# KiCad board MXKeyboard.kicad_pcb (continued)
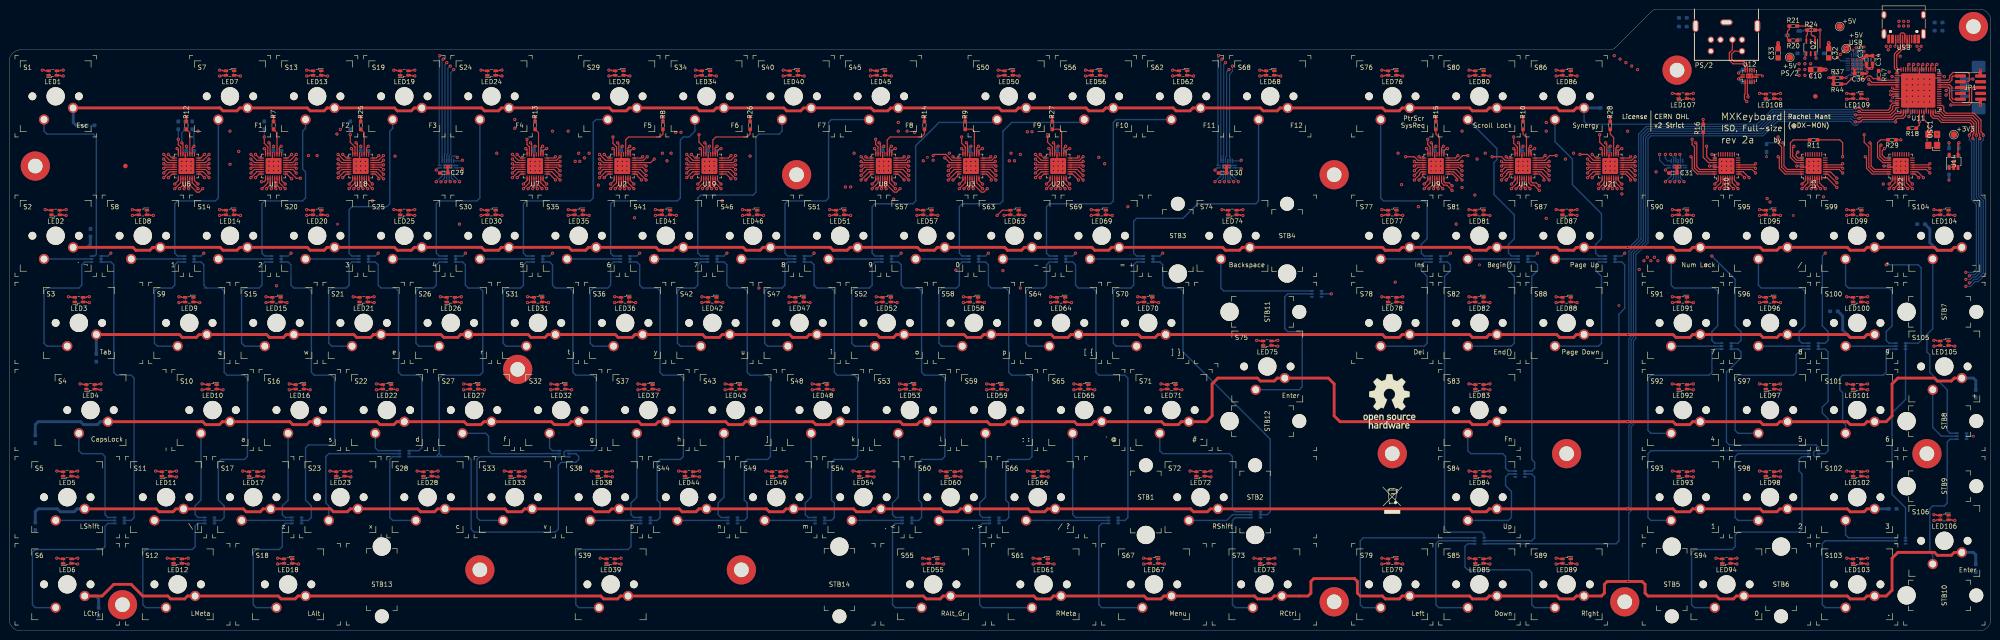
[diagram p0: board, top side]
## Routing (per net, layer and track width the routed paths; a pad name or vN(x,y) marks a point on that pad's centre or on a via; arc(x,y) is an arc through that point) (continued)
Net-(LED88-Pad3): length 35.7
  Top w0.254: v1(334.39,97.28) 333.76,97.92 332.87,97.92 332.58,98.2 U4.16 ; v1(338.07,71.76) 338.58,71.76 338.72,71.89 LED88.3
  Route10 w0.254: v1(334.39,97.28) 333.63,96.52 333.63,95.76 332.74,94.87 332.74,72.39 333.38,71.76 v1(338.07,71.76)
Net-(LED89-Pad2): length 112
  Top w0.254: v1(316.36,98.55) 316.36,98.93 315.44,99.85 U9.17 ; LED89.2 338.72,15.74 338.58,15.88 v1(338.07,15.88)
  Route4 w0.254: v1(338.07,15.88) 332.74,15.88 332.1,16.51 332.1,73.79 329.06,76.84 313.44,76.84 312.42,77.85 312.42,94.62 314.07,96.27 314.07,97.16 315.47,98.55 v1(316.36,98.55)
Net-(LED89-Pad3): length 95.7
  Top w0.254: v1(335.41,98.55) 335.41,98.93 334.49,99.85 U4.17 ; v1(338.07,14.61) 338.58,14.61 338.72,14.74 LED89.3
  Route10 w0.254: v1(338.07,14.61) 332.74,14.61 332.1,15.24 332.1,95.25 333.12,96.27 333.12,97.16 334.52,98.55 v1(335.41,98.55)
Net-(LED90-Pad2): length 59.9
  Top w0.254: v1(317.5,98.55) 315.7,100.35 U9.18 ; LED90.2 364.12,91.94 363.98,92.08 v1(363.47,92.08)
  Route4 w0.254: v1(363.47,92.08) 349.25,92.08 348.62,92.71 348.62,93.98 347.98,94.62 328.8,94.62 320.8,102.62 v1(320.8,103.12)
  Route10 w0.254: v1(320.8,103.12) 320.42,102.74 320.42,100.97 318.01,98.55 v1(317.5,98.55)
Net-(LED90-Pad3): length 64.7
  Top w0.254: U4.18 334.75,100.35 v1(336.55,98.55) ; LED90.3 364.12,90.94 363.98,90.81 v1(363.47,90.81)
  Route4 w0.254: v1(356.23,78.99) 356.23,80.01 355.6,80.65 355.6,81.92 356.87,83.19 356.87,90.17 357.5,90.81 v1(363.47,90.81)
  Route10 w0.254: v1(356.23,78.99) 355.98,78.74 352.42,78.74 351.79,79.38 351.79,90.93 340.11,102.62 v1(340.11,103.12)
  Route12 w0.254: 336.8,98.55 v1(336.55,98.55) 337.95,98.55 339.09,99.7 339.09,102.11 v1(340.11,103.12)
Net-(LED91-Pad2): length 67.8
  Top w0.254: v1(317.5,99.57) 316.22,100.85 U9.19 ; v1(363.47,73.03) 363.98,73.03 364.12,72.89 LED91.2
  Route4 w0.254: v1(363.47,73.03) 361.57,74.93 332.74,74.93 329.56,78.11 329.56,87.76 317.75,99.57 v1(317.5,99.57)
Net-(LED91-Pad3): length 52.4
  Top w0.254: v1(336.55,99.57) 335.27,100.85 U4.19 ; v1(363.47,71.76) 363.98,71.76 364.12,71.89 LED91.3
  Route10 w0.254: v1(336.55,99.57) 337.06,99.57 347.98,88.65 347.98,75.57 348.62,74.93 361.31,74.93 361.95,74.3 361.95,72.39 362.58,71.76 v1(363.47,71.76)
Net-(LED92-Pad2): length 105.6
  Top w0.254: v1(317.5,100.58) 316.73,101.35 U9.20 ; v1(368.05,52.71) 367.54,52.71 367.4,52.84 LED92.2
  Route4 w0.254: v1(368.05,52.71) 373.38,52.71 374.01,53.34 374.01,74.93 373.38,75.57 332.99,75.57 330.2,78.36 330.2,88.14 317.75,100.58 v1(317.5,100.58)
Net-(LED92-Pad3): length 87.1
  Top w0.254: v1(336.55,100.58) 335.78,101.35 U4.20 ; v1(368.05,53.98) 367.54,53.98 367.4,53.84 LED92.3
  Route10 w0.254: v1(336.55,100.58) 337.06,100.58 348.62,89.03 348.62,76.2 349.25,75.57 373.38,75.57 374.01,74.93 374.01,54.61 373.38,53.98 v1(368.05,53.98)
Net-(LED93-Pad2): length 126.6
  Top w0.254: v1(317.5,101.6) 317.25,101.85 U9.21 ; v1(368.05,33.66) 367.54,33.66 367.4,33.79 LED93.2
  Route4 w0.254: v1(368.05,33.66) 374.01,33.66 374.65,34.29 374.65,75.57 374.01,76.2 333.25,76.2 330.83,78.61 330.83,88.52 317.75,101.6 v1(317.5,101.6)
Net-(LED93-Pad3): length 107.8
  Top w0.254: v1(336.55,101.6) 336.3,101.85 U4.21 ; v1(368.05,34.93) 367.54,34.93 367.4,34.79 LED93.3
  Route10 w0.254: v1(336.55,101.6) 337.06,101.6 349.25,89.41 349.25,76.84 349.88,76.2 374.01,76.2 374.65,75.57 374.65,35.56 374.01,34.93 v1(368.05,34.93)
Net-(LED94-Pad2): length 142.8
  Top w0.254: v1(317.5,102.62) 317.23,102.35 U9.22 ; LED94.2 376.93,14.74 377.06,14.61 v1(377.57,14.61)
  Route4 w0.254: v1(317.5,102.62) 317.75,102.62 331.47,88.9 331.47,78.87 333.5,76.84 374.65,76.84 375.28,76.2 375.28,15.24 375.92,14.61 v1(377.57,14.61)
Net-(LED94-Pad3): length 123.8
  Top w0.254: v1(336.55,102.62) 336.28,102.35 U4.22 ; v1(377.57,15.88) 377.06,15.88 376.93,15.74 LED94.3
  Route10 w0.254: v1(377.57,15.88) 375.92,15.88 375.28,16.51 375.28,76.2 374.65,76.84 350.52,76.84 349.88,77.47 349.88,89.79 337.06,102.62 v1(336.55,102.62)
Net-(LED95-Pad2): length 99
  Top w0.254: v1(318.77,103.89) 317.63,103.89 316.59,102.85 U9.23 ; LED95.2 383.17,91.94 383.03,92.08 v1(382.52,92.08)
  Route4 w0.254: v1(370.84,80.01) 370.84,78.74 370.2,78.11 334.01,78.11 332.74,79.38 332.74,89.66 318.77,103.63 v1(318.77,103.89)
  Route12 w0.254: v1(370.84,80.01) 372.75,80.01 374.65,81.92 374.65,91.44 375.28,92.08 v1(382.52,92.08)
Net-(LED95-Pad3): length 80.7
  Top w0.254: v1(338.07,103.89) 336.68,103.89 335.64,102.85 U4.23 ; LED95.3 383.17,90.94 383.03,90.81 v1(382.52,90.81)
  Route10 w0.254: v1(382.52,90.81) 374.65,90.81 374.01,90.17 374.01,78.74 373.38,78.11 351.79,78.11 351.15,78.74 351.15,90.55 338.07,103.63 v1(338.07,103.89)
Net-(LED96-Pad2): length 90.4
  Top w0.254: v1(316.61,103.89) 316.07,103.35 U9.24 ; v1(382.52,73.03) 383.03,73.03 383.17,72.89 LED96.2
  Route4 w0.254: v1(382.52,73.03) 376.56,73.03 375.92,73.66 375.92,76.84 375.28,77.47 333.76,77.47 332.1,79.12 332.1,89.28 317.5,103.89 v1(316.61,103.89)
Net-(LED96-Pad3): length 73.8
  Top w0.254: v1(335.66,103.89) 335.12,103.35 U4.24 ; LED96.3 383.17,71.89 383.03,71.76 v1(382.52,71.76)
  Route10 w0.254: v1(335.66,103.89) 336.8,103.89 350.52,90.17 350.52,78.11 351.15,77.47 375.28,77.47 375.92,76.84 375.92,72.39 376.56,71.76 v1(382.52,71.76)
Net-(LED97-Pad2): length 68.6
  Top w0.254: v1(372.75,97.66) 373.53,98.45 U10.1 ; v1(387.1,52.71) 386.59,52.71 386.45,52.84 LED97.2
  Route4 w0.254: v1(387.1,52.71) 391.79,52.71 392.43,53.34 392.43,74.3 391.79,74.93 380.37,74.93 373.38,81.92 373.38,94.87 371.98,96.27 371.98,96.9 v1(372.75,97.66)
Net-(LED97-Pad3): length 52.7
  Top w0.254: v1(391.79,97.66) 392.58,98.45 U5.1 ; LED97.3 386.45,53.84 386.59,53.98 v1(387.1,53.98)
  Route10 w0.254: v1(387.1,53.98) 391.79,53.98 392.43,54.61 392.43,94.87 391.03,96.27 391.03,96.9 v1(391.79,97.66)
Net-(LED98-Pad2): length 88.2
  Top w0.254: v1(372.75,96.65) 374.03,97.94 U10.2 ; v1(387.1,33.66) 386.59,33.66 386.45,33.79 LED98.2
  Route4 w0.254: v1(372.75,96.65) 374.01,95.38 374.01,82.3 380.75,75.57 392.43,75.57 393.06,74.93 393.06,34.29 392.43,33.66 v1(387.1,33.66)
Net-(LED98-Pad3): length 72.2
  Top w0.254: v1(391.79,96.65) 393.08,97.94 U5.2 ; LED98.3 386.45,34.79 386.59,34.93 v1(387.1,34.93)
  Route10 w0.254: v1(391.79,96.65) 393.06,95.38 393.06,35.56 392.43,34.93 v1(387.1,34.93)
Net-(LED99-Pad2): length 34.1
  Top w0.254: v1(373.76,96.65) 374.53,97.42 U10.3 ; LED99.2 402.22,91.94 402.08,92.08 v1(401.57,92.08)
  Route4 w0.254: v1(401.57,92.08) 400.94,92.71 395.73,92.71 394.46,93.98 385.7,93.98 385.44,93.73 v1(384.81,93.73)
  Route6 w0.254: v1(373.76,96.65) 376.68,93.73 v1(384.81,93.73)
Net-(LED99-Pad3): length 17.1
  Top w0.254: v1(392.81,96.65) 393.58,97.42 U5.3 ; v1(401.57,90.81) 402.08,90.81 402.22,90.94 LED99.3
  Route6 w0.254: v1(392.81,96.65) 394.59,94.87 v1(396.49,94.87)
  Route10 w0.254: v1(396.49,94.87) 396.88,94.49 396.88,91.44 397.51,90.81 v1(401.57,90.81)
Net-(LED100-Pad2): length 55.5
  Top w0.254: v1(374.78,96.65) 375.03,96.91 U10.4 ; v1(406.15,71.76) 405.64,71.76 405.5,71.89 LED100.2
  Route4 w0.254: v1(374.78,96.65) 374.65,96.52 374.65,82.68 381.13,76.2 393.7,76.2 394.33,75.57 403.22,75.57 403.86,74.93 403.86,72.39 404.5,71.76 v1(406.15,71.76)
Net-(LED100-Pad3): length 39.5
  Top w0.254: v1(393.83,96.65) 394.08,96.91 U5.4 ; v1(406.15,73.03) 405.64,73.03 405.5,72.89 LED100.3
  Route10 w0.254: v1(393.83,96.65) 393.7,96.52 393.7,76.2 394.33,75.57 405.76,75.57 406.15,75.18 v1(406.15,73.03)
Net-(LED101-Pad2): length 82.9
  Top w0.254: v1(375.79,96.65) 375.53,96.91 U10.5 ; LED101.2 405.5,52.84 405.64,52.71 v1(406.15,52.71)
  Route4 w0.254: v1(406.15,52.71) 410.21,52.71 410.85,53.35 410.85,67.94 409.57,69.22 409.57,75.57 408.94,76.2 394.97,76.2 394.33,76.84 381.51,76.84 375.28,83.06 375.28,96.14 v1(375.79,96.65)
Net-(LED101-Pad3): length 66.2
  Top w0.254: v1(394.84,96.65) 394.58,96.91 U5.5 ; v1(406.15,53.98) 405.64,53.98 405.5,53.84 LED101.3
  Route10 w0.254: v1(394.84,96.65) 394.33,96.14 394.33,76.84 394.97,76.2 408.94,76.2 409.57,75.57 409.57,69.22 410.84,67.95 410.84,54.61 410.21,53.98 v1(406.15,53.98)
Net-(LED102-Pad2): length 102.3
  Top w0.254: v1(376.81,96.65) 376.03,97.42 U10.6 ; v1(406.15,33.66) 405.64,33.66 405.5,33.79 LED102.2
  Route4 w0.254: v1(406.15,33.66) 409.57,33.66 410.21,34.29 410.21,46.99 410.84,47.63 410.84,52.07 411.48,52.71 411.48,68.2 410.21,69.47 410.21,76.2 409.57,76.84 395.6,76.84 394.97,77.47 381.89,77.47 375.92,83.44 375.92,95.76 v1(376.81,96.65)
Net-(LED102-Pad3): length 85.5
  Top w0.254: v1(395.86,96.65) 395.08,97.42 U5.6 ; LED102.3 405.5,34.79 405.64,34.93 v1(406.15,34.93)
  Route10 w0.254: v1(406.15,34.93) 409.57,34.93 410.21,35.56 410.21,46.99 411.48,48.26 411.48,68.2 410.21,69.47 410.21,76.2 409.57,76.84 395.6,76.84 394.97,77.47 394.97,95.76 v1(395.86,96.65)
Net-(LED103-Pad2): length 122.5
  Top w0.254: v1(377.82,96.65) 376.53,97.94 U10.7 ; LED103.2 405.5,14.74 405.64,14.61 v1(406.15,14.61)
  Route4 w0.254: v1(377.82,96.65) 376.56,95.38 376.56,83.82 382.27,78.11 395.6,78.11 396.24,77.47 410.21,77.47 410.84,76.84 410.84,69.72 412.12,68.45 412.12,52.07 411.48,51.44 411.48,47.37 410.84,46.74 410.84,15.24 410.21,14.61 v1(406.15,14.61)
Net-(LED103-Pad3): length 105.6
  Top w0.254: v1(396.88,96.65) 395.58,97.94 U5.7 ; LED103.3 405.5,15.74 405.64,15.88 v1(406.15,15.88)
  Route10 w0.254: v1(396.88,96.65) 395.6,95.38 395.6,78.11 396.24,77.47 410.21,77.47 410.84,76.84 410.84,69.72 412.12,68.45 412.12,48.01 410.84,46.74 410.84,16.51 410.21,15.88 v1(406.15,15.88)
Net-(LED104-Pad2): length 49.5
  Top w0.254: v1(377.82,97.66) 377.03,98.45 U10.8 ; LED104.2 421.27,91.94 421.13,92.08 v1(420.62,92.08)
  Route4 w0.254: v1(377.82,97.66) 378.59,96.9 378.59,95.89 379.22,95.25 394.97,95.25 396.24,93.98 419.73,93.98 420.62,93.09 v1(420.62,92.08)
Net-(LED104-Pad3): length 32
  Top w0.254: v1(399.41,96.9) 397.27,99.05 U5.8 ; LED104.3 421.27,90.94 421.13,90.81 v1(420.62,90.81)
  Route10 w0.254: v1(399.41,96.9) 399.29,96.77 399.29,95.25 399.92,94.62 415.92,94.62 416.56,93.98 416.56,91.44 417.19,90.81 v1(420.62,90.81)
Net-(LED105-Pad2): length 93
  Top w0.254: v1(379.22,99.06) 378.43,99.85 U10.9 ; v1(420.62,63.5) 421.13,63.5 421.27,63.37 LED105.2
  Route4 w0.254: v1(379.22,99.06) 379.22,96.52 379.86,95.89 397.51,95.89 398.14,95.25 429.9,95.25 430.53,94.62 430.53,74.93 420.62,65.02 v1(420.62,63.5)
Net-(LED105-Pad3): length 59.9
  Top w0.254: v1(399.41,97.92) 397.48,99.85 U5.9 ; v1(420.62,62.23) 421.13,62.23 421.27,62.37 LED105.3
  Route10 w0.254: v1(420.62,62.23) 419.1,62.23 418.46,62.87 418.46,78.74 415.92,81.28 415.92,93.35 415.29,93.98 399.67,93.98 398.65,95 398.65,97.16 v1(399.41,97.92)
Net-(LED106-Pad2): length 124.6
  Top w0.254: v1(380.24,99.06) 378.95,100.35 U10.10 ; LED106.2 421.27,25.27 421.13,25.4 v1(420.62,25.4)
  Route4 w0.254: v1(420.62,25.4) 412.12,25.4 411.48,26.04 411.48,46.48 412.12,47.12 412.12,50.8 412.75,51.44 412.75,62.87 417.83,67.95 417.83,71.12 415.92,73.03 415.92,92.71 415.29,93.35 395.99,93.35 394.72,94.62 384.94,94.62 384.81,94.49 v1(384.17,94.49)
  Route6 w0.254: v1(384.17,94.49) 380.87,94.49 380.24,95.12 v1(380.24,99.06)
Net-(LED106-Pad3): length 108.5
  Top w0.254: v1(399.41,98.93) 398,100.35 U5.10 ; v1(420.62,24.13) 421.13,24.13 421.27,24.27 LED106.3
  Route10 w0.254: v1(420.62,24.13) 412.12,24.13 411.48,24.77 411.48,46.48 412.75,47.75 412.75,62.87 417.83,67.95 417.83,78.11 415.29,80.65 415.29,92.71 414.65,93.35 399.41,93.35 398.02,94.74 398.02,97.54 v1(399.41,98.93)
Net-(LED107-Pad2): length 51.4
  Top w0.254: v1(381.63,100.08) 380.86,100.85 U10.11 ; v1(368.05,116.21) 367.54,116.21 367.4,116.34 LED107.2
  Route4 w0.254: v1(381.63,100.08) 381.25,100.08 379.09,102.24 379.09,108.71 380.87,110.49 388.62,110.49 389.25,111.13 389.25,113.67 388.62,114.3 369.95,114.3 v1(368.05,116.21)
Net-(LED107-Pad3): length 52
  Top w0.254: v1(400.69,100.08) 399.91,100.85 U5.11 ; v1(368.05,117.48) 367.54,117.48 367.4,117.34 LED107.3
  Route10 w0.254: v1(400.69,100.08) 399.67,100.08 397.51,102.24 397.51,108.59 396.88,109.22 390.65,109.22 389.25,110.62 389.25,113.67 388.62,114.3 370.2,114.3 369.57,114.94 369.57,116.84 368.94,117.48 v1(368.05,117.48)
Net-(LED108-Pad2): length 32.7
  Top w0.254: v1(381.63,101.09) 381.38,101.35 U10.12 ; v1(387.1,116.21) 386.59,116.21 386.45,116.34 LED108.2
  Route4 w0.254: v1(387.1,116.21) 389.25,116.21 389.89,115.57 389.89,110.87 388.87,109.86 381.13,109.86 379.73,108.46 379.73,102.49 381.13,101.09 v1(381.63,101.09)
Net-(LED108-Pad3): length 32.9
  Top w0.254: v1(400.69,101.09) 400.43,101.35 U5.12 ; v1(387.1,117.48) 386.59,117.48 386.45,117.34 LED108.3
  Route10 w0.254: v1(387.1,117.48) 389.25,117.48 389.89,116.84 389.89,110.87 390.91,109.86 397.13,109.86 398.14,108.84 398.14,102.49 399.54,101.09 v1(400.69,101.09)
Net-(LED109-Pad2): length 39.2
  Top w0.254: v1(381.63,102.11) 381.38,101.85 U10.13 ; v1(401.57,117.48) 402.08,117.48 402.22,117.34 LED109.2
  Route4 w0.254: v1(381.63,102.11) 381,102.11 380.37,102.74 380.37,108.2 381.38,109.22 389.13,109.22 390.52,110.62 390.52,113.67 391.16,114.3 398.4,114.3 v1(401.57,117.48)
Net-(LED109-Pad3): length 23.4
  Top w0.254: v1(400.69,102.11) 400.43,101.85 U5.13 ; LED109.3 402.22,116.34 402.08,116.21 v1(401.57,116.21)
  Route10 w0.254: v1(401.57,116.21) 399.41,116.21 398.78,115.57 398.78,102.74 399.41,102.11 v1(400.69,102.11)
Net-(Q1-Pad1): length 2.1
  Bottom w0.254: R23.2 392.24,131.32 392.05,131.13 390.99,131.13
Net-(Q1-Pad3): length 3.7
  Top w0.254: R20.2 389,129.03 388.62,129.41 v1(388.62,130.18) 388.62,131.06 389.04,131.48 R21.2
  Bottom w0.254: 388.79,130.18 v1(388.62,130.18)
Net-(Q2-Pad1): length 6.8
  Top w0.254: R21.1 393.57,132.21 393.83,131.95 393.83,130.3 394.08,130.05 394.4,130.05 394.65,129.8 Q2.1
Net-(Q2-Pad3): length 2.6
  Top w0.254: R24.1 392.98,130.28 392.75,130.05 Q2.3
Net-(R7-Pad1): length 5.8
  Top w0.254: R7.1 58.54,108.89 U1.27
Net-(R8-Pad1): length 12.9
  Top w0.254: R8.1 142.88,108.59 142.24,107.95 135.38,107.95 134.74,107.3 U2.27
Net-(R9-Pad1): length 7.2
  Top w0.254: U3.27 210.94,109.11 210.4,109.64 R9.1
Net-(R10-Pad1): length 5.8
  Top w0.254: R10.1 330.83,108.59 331.58,107.84 U4.27
Net-(R11-Pad1): length 10.7
  Top w0.254: R11.1 389.89,107.32 389.25,106.68 389.25,103.51 390.41,102.35 U5.27
Net-(R12-Pad1): length 5.8
  Top w0.254: U6.27 39.48,108.89 R12.1
Net-(R13-Pad1): length 5.8
  Top w0.254: R13.1 115.68,108.89 U7.27
Net-(R14-Pad1): length 12.9
  Top w0.254: R14.1 200.02,108.59 199.39,107.95 192.53,107.95 191.88,107.3 U8.27
Net-(R15-Pad1): length 5.8
  Top w0.254: U9.27 312.53,107.84 311.78,108.59 R15.1
Net-(R16-Pad1): length 8.5
  Top w0.254: R16.1 370.2,103.51 371.36,102.35 U10.27
Net-(R25-Pad1): length 5.8
  Top w0.254: R25.1 77.58,108.89 U18.27
Net-(R26-Pad1): length 12.9
  Top w0.254: R26.1 161.93,108.59 161.29,107.95 154.43,107.95 153.79,107.3 U19.27
Net-(R27-Pad1): length 7.2
  Top w0.254: R27.1 229.45,109.64 229.98,109.11 U20.27
Net-(R28-Pad1): length 5.8
  Top w0.254: U21.27 350.63,107.84 349.88,108.59 R28.1
Net-(R29-Pad1): length 8.8
  Top w0.254: U22.27 409.46,102.35 408.31,103.51 408.31,106.68 408.94,107.32 R29.1
Net-(R37-Pad1): length 3.8
  Top w0.254: v2(401.45,120.9) R37.1
  Bottom w0.254: R37.1 v2(401.45,120.9) 402.02,121.48 402.53,121.48 402.61,121.56 U13.6
Net-(R44-Pad1): length 6.7
  Top w0.254: R44.1 401.45,119.51 v2(402.59,120.65)
  Bottom w0.254: U13.5 403.11,121.17 v2(402.59,120.65) 401.45,119.51 R44.1
Net-(S1-Pad2): length 41.4
  Bottom w0.305: D1.6 18.68,81.93 19.05,82.3 19.05,107.95 18.41,108.59 8.25,108.59 7.62,109.22 S1.2
Net-(S4-Pad2): length 25.1
  Bottom w0.305: S4.2 15.24,39.37 15.88,38.74 20.32,38.74 20.95,38.1 20.95,25.4 21.58,24.78 D2.6
Net-(S5-Pad2): length 12.9
  Bottom w0.305: S5.2 D2.5
Net-(S10-Pad2): length 20.7
  Bottom w0.3: 41.26,24.78 40.64,25.4
  Bottom w0.305: 41.26,24.78 D4.6 ; 40.64,25.4 40.64,27.31 41.91,28.58 S10.2
Net-(S13-Pad2): length 40.9
  Bottom w0.305: D5.6 55.86,81.93 55.24,82.55 55.24,93.35 55.88,93.98 64.14,93.98 64.77,94.62 64.77,100.33 64.14,100.97 64.14,109.22 64.77,109.86 S13.2
Net-(S18-Pad2): length 30.5
  Bottom w0.305: S18.2 53.98,5.08 53.34,5.72 53.34,17.15 53.98,17.78 59.05,17.78 59.69,18.42 59.69,22.86 60.31,23.48 D6.4
Net-(S19-Pad2): length 40
  Bottom w0.305: D7.6 74.92,81.93 74.3,82.55 74.3,92.08 74.93,92.71 82.55,92.71 83.18,93.35 83.18,109.22 83.82,109.86 S19.2
Net-(S21-Pad2): length 28.6
  Bottom w0.305: S21.2 70.48,62.23 69.85,62.87 69.85,74.3 70.48,74.93 73.66,74.93 74.3,75.57 74.3,80.01 74.92,80.63 D7.4
Net-(S23-Pad2): length 30.6
  Bottom w0.305: D8.5 69.85,38.74 69.21,38.1 69.21,27.94 69.85,27.31 S23.2
Net-(S24-Pad2): length 40.4
  Bottom w0.305: S24.2 102.87,94.62 102.23,93.98 93.98,93.98 93.34,93.35 93.34,82.55 93.96,81.93 D9.6
Net-(S29-Pad2): length 48.9
  Bottom w0.305: D10.6 113.02,81.93 112.39,82.55 112.39,93.35 113.03,93.98 127,93.98 127.64,94.62 127.64,111.13 128.27,111.76 S29.2
Net-(S30-Pad2): length 11.7
  Bottom w0.305: S30.2 D10.5
Net-(S34-Pad2): length 48.1
  Bottom w0.305: S34.2 149.86,109.22 148.59,107.95 147.32,107.95 146.69,107.32 146.69,94.62 146.05,93.98 132.08,93.98 131.44,93.35 131.44,82.55 132.06,81.93 D12.6
Net-(S37-Pad2): length 20.7
  Bottom w0.305: D13.6 136.51,24.78 135.89,25.4 135.89,27.94 137.16,29.21 S37.2
Net-(S38-Pad2): length 11
  Bottom w0.305: S38.2 D13.5
Net-(S39-Pad2): length 36.2
  Bottom w0.305: D13.4 136.51,23.48 135.89,22.86 135.89,18.42 135.25,17.78 124.46,17.78 123.83,17.15 123.83,5.72 124.46,5.08 S39.2
Net-(S44-Pad2): length 10.9
  Bottom w0.305: S44.2 156.92,24.13
Net-(S47-Pad2): length 28.6
  Bottom w0.305: S47.2 165.74,62.23 165.1,62.87 165.1,74.3 165.74,74.93 168.91,74.93 169.55,75.57 169.55,80.01 170.17,80.63 D16.4
Net-(S49-Pad2): length 11
  Bottom w0.305: D17.5 S49.2
Net-(S52-Pad2): length 28.6
  Bottom w0.305: S52.2 184.78,62.23 184.15,62.87 184.15,74.3 184.78,74.93 187.96,74.93 188.59,75.57 188.59,80.01 189.21,80.63 D18.4
Net-(S54-Pad2): length 11
  Bottom w0.305: S54.2 D19.5
Net-(S55-Pad2): length 26.1
  Bottom w0.305: D19.4 193.66,23.48 193.04,22.86 193.04,5.72 193.67,5.08 S55.2
Net-(S57-Pad2): length 11.6
  Bottom w0.305: D20.5 S57.2
Net-(S69-Pad2): length 11.7
  Bottom w0.305: D24.5 S69.2
Net-(S71-Pad2): length 35.9
  Bottom w0.305: S71.2 251.46,39.37 252.09,38.74 266.7,38.74 267.33,38.1 267.33,26.67 267.95,26.05 D25.6
Net-(S72-Pad2): length 14.1
  Bottom w0.305: D25.5 267.33,25.4 266.06,24.13 S72.2
Net-(S73-Pad2): length 27.4
  Bottom w0.305: D25.4 267.95,24.75 267.33,24.13 267.33,5.72 267.97,5.08 S73.2
Net-(S74-Pad2): length 26.5
  Bottom w0.305: D26.6 265.41,74.31 264.79,74.93 S74.2
Net-(S78-Pad2): length 30.5
  Bottom w0.305: S78.2 309.25,62.23 309.88,62.87 309.88,77.47 308.61,78.74 308.61,80.01 309.23,80.63 D27.4
Net-(S82-Pad2): length 30.5
  Bottom w0.305: D28.4 328.28,80.63 327.66,80.01 327.66,78.74 328.93,77.47 328.93,62.87 328.29,62.23 S82.2
Net-(S86-Pad2): length 36.3
  Bottom w0.305: S86.2 337.82,106.93 341.63,103.12 341.63,97.54 347.98,91.19 347.98,85.73 346.71,84.46 346.71,82.55 347.33,81.93 D29.6
Net-(S91-Pad2): length 11
  Bottom w0.305: D32.5 S91.2
Net-(S93-Pad2): length 54.7
  Bottom w0.305: 358.79,39.39 358.14,38.74 358.14,24.77 358.77,24.13 S93.2 ; 358.77,39.39 D33.6
Net-(S94-Pad2): length 62.4
  Bottom w0.305: S94.2 368.3,5.08 367.66,5.72 367.66,17.15 368.3,17.78 376.56,17.78 377.19,18.42 377.19,20.96 377.82,21.59 391.16,21.59 391.79,22.23 391.79,34.29 391.16,34.93 391.16,37.47 391.78,38.09 D33.4
Net-(S97-Pad2): length 37.7
  Bottom w0.305: D34.4 391.78,61.58 390.52,60.33 390.52,56.52 389.89,55.88 377.82,55.88 377.19,55.25 377.19,43.82 377.82,43.18 S97.2
Net-(U1-Pad32): length 88.1
  Top w0.254: v1(136.52,105.41) 136.27,105.41 135.74,104.87 U2.25 ; v1(55.75,105.41) 56.04,105.13 U1.32
  Route4 w0.254: v1(136.52,105.41) 136.27,105.16 133.35,105.16 132.33,106.17 126.24,106.17 v1(124.46,104.39)
  Route12 w0.254: v1(124.46,104.39) 124.21,104.65 119.25,104.65 118.24,103.63 112.78,103.63 111.25,105.16 79.63,105.16 78.61,104.14 74.93,104.14 73.41,105.66 60.33,105.66 59.31,104.65 56.52,104.65 v1(55.75,105.41)
Net-(U2-Pad32): length 88.1
  Top w0.254: v1(212.72,105.41) 212.47,105.41 211.94,104.87 U3.25 ; v1(131.95,105.41) 132.24,105.13 U2.32
  Route4 w0.254: v1(205.49,104.39) 207.26,106.17 208.53,106.17 209.55,105.16 212.47,105.16 v1(212.72,105.41)
  Route12 w0.254: v1(205.49,104.39) 205.23,104.65 195.45,104.65 194.44,103.63 188.98,103.63 187.45,105.16 157.1,105.16 156.08,104.14 151.13,104.14 149.61,105.66 137.8,105.66 136.78,104.65 132.71,104.65 v1(131.95,105.41)
Net-(U3-Pad32): length 132.5
  Top w0.254: v1(333.38,105.41) 333.12,105.41 332.58,104.87 U4.25 ; v1(208.15,105.41) 208.44,105.13 U3.32
  Route4 w0.254: v1(333.38,105.41) 333.12,105.16 330.2,105.16 329.18,106.17 324.36,106.17 v1(322.58,104.39)
  Route12 w0.254: v1(322.58,104.39) 322.33,104.65 316.1,104.65 315.09,103.63 309.63,103.63 308.1,105.16 233.3,105.16 232.28,104.14 227.33,104.14 225.81,105.66 214,105.66 212.98,104.65 208.91,104.65 v1(208.15,105.41)
Net-(U4-Pad32): length 68.2
  Top w0.254: v1(390.91,104.65) 390.52,104.27 390.52,103.76 390.93,103.35 U5.25 ; v1(328.8,105.41) 329.08,105.13 U4.32
  Route12 w0.254: v1(390.91,104.65) 389.38,104.65 389.13,104.9 371.86,104.9 371.6,104.65 370.33,104.65 370.08,104.9 367.66,104.9 367.41,105.16 353.95,105.16 352.93,104.14 347.98,104.14 346.46,105.66 334.64,105.66 333.63,104.65 329.56,104.65 v1(328.8,105.41)
Net-(U6-Pad32): length 87.7
  Top w0.254: v1(36.7,105.41) 36.98,105.13 U6.32 ; v1(117.48,105.41) 117.22,105.41 116.68,104.87 U7.25
  Route4 w0.254: v1(117.48,105.41) 117.22,105.16 114.3,105.16 113.28,106.17 108.33,106.17 v1(106.55,104.39)
  Route12 w0.254: v1(106.55,104.39) 106.3,104.65 79.88,104.65 78.87,103.63 74.68,103.63 73.15,105.16 60.58,105.16 59.56,104.14 55.88,104.14 54.36,105.66 41.27,105.66 40.77,105.16 36.96,105.16 v1(36.7,105.41)
Net-(U7-Pad32): length 88.1
  Top w0.254: v1(193.67,105.41) 193.42,105.41 192.88,104.87 U8.25 ; v1(112.9,105.41) 113.18,105.13 U7.32
  Route4 w0.254: v1(193.67,105.41) 193.42,105.16 190.5,105.16 189.48,106.17 186.44,106.17 v1(184.66,104.39)
  Route12 w0.254: v1(184.66,104.39) 184.4,104.65 157.35,104.65 156.34,103.63 150.88,103.63 149.35,105.16 138.05,105.16 137.03,104.14 132.08,104.14 130.56,105.66 118.74,105.66 117.73,104.65 113.67,104.65 v1(112.9,105.41)
Net-(U8-Pad32): length 132.5
  Top w0.254: v1(314.32,105.41) 314.07,105.41 313.53,104.87 U9.25 ; v1(189.1,105.41) 189.38,105.13 U8.32
  Route4 w0.254: v1(314.32,105.41) 314.07,105.16 311.15,105.16 310.13,106.17 305.31,106.17 v1(303.53,104.39)
  Route12 w0.254: v1(303.53,104.39) 303.28,104.65 233.55,104.65 232.54,103.63 227.08,103.63 225.55,105.16 214.25,105.16 213.23,104.14 208.28,104.14 206.76,105.66 194.94,105.66 193.93,104.65 189.87,104.65 v1(189.1,105.41)
Net-(U10-Pad25): length 69
  Top w0.254: v1(372.11,104.14) 372.36,104.14 372.73,103.77 U10.25 ; v1(309.75,105.41) 310.03,105.13 U9.32
  Route12 w0.254: v1(372.11,104.14) 370.08,104.14 369.82,104.39 366.78,104.39 365.51,103.12 360.3,103.12 358.77,104.65 354.2,104.65 353.19,103.63 347.73,103.63 346.2,105.16 334.9,105.16 333.88,104.14 328.93,104.14 327.41,105.66 315.59,105.66 314.58,104.65 310.51,104.65 v1(309.75,105.41)
Net-(U11-Pad37): length 39.7
  Top w0.254: U12.3 379.87,117.34 379.99,117.21 v1(379.99,116.71) ; U11.37 407.06,119.86 v1(406.4,120.52)
  Route12 w0.254: v1(379.99,116.71) 380.49,116.21 383.92,116.21 384.56,116.84 384.56,119.25 385.32,120.02 405.89,120.02 v1(406.4,120.52)
Net-(U11-Pad38): length 41
  Top w0.254: U11.39 U11.38 406.55,119.36 v1(406.4,119.51) ; v1(379.73,115.7) 379.22,116.21 379.22,117.22 379.37,117.36 U12.2
  Route12 w0.254: v1(406.4,119.51) 385.57,119.51 385.06,119 385.06,116.59 384.17,115.7 v1(379.73,115.7)
Net-(U18-Pad32): length 88.1
  Top w0.254: v1(155.57,105.41) 155.32,105.41 154.79,104.87 U19.25 ; v1(74.8,105.41) 75.08,105.13 U18.32
  Route4 w0.254: v1(142.75,104.39) 144.53,106.17 151.38,106.17 152.4,105.16 155.32,105.16 v1(155.57,105.41)
  Route12 w0.254: v1(142.75,104.39) 142.49,104.65 138.3,104.65 137.29,103.63 131.83,103.63 130.3,105.16 119,105.16 117.98,104.14 113.03,104.14 111.51,105.66 79.37,105.66 78.36,104.65 75.56,104.65 v1(74.8,105.41)
Net-(U19-Pad32): length 88.1
  Top w0.254: v1(231.77,105.41) 231.52,105.41 230.98,104.87 U20.25 ; v1(151,105.41) 151.29,105.13 U19.32
  Route4 w0.254: v1(231.77,105.41) 231.52,105.16 228.6,105.16 227.58,106.17 220.73,106.17 v1(218.95,104.39)
  Route12 w0.254: v1(218.95,104.39) 218.69,104.65 214.5,104.65 213.49,103.63 208.03,103.63 206.5,105.16 195.2,105.16 194.18,104.14 189.23,104.14 187.71,105.66 156.84,105.66 155.83,104.65 151.76,104.65 v1(151,105.41)
Net-(U20-Pad32): length 132.5
  Top w0.254: v1(352.42,105.41) 352.17,105.41 351.63,104.87 U21.25 ; v1(227.2,105.41) 227.48,105.13 U20.32
  Route6 w0.254: v1(352.42,105.41) 352.17,105.16 349.25,105.16 348.23,106.17 343.66,106.17 v1(341.88,104.39)
  Route12 w0.254: v1(341.88,104.39) 341.63,104.65 335.15,104.65 334.14,103.63 328.68,103.63 327.15,105.16 315.85,105.16 314.83,104.14 309.88,104.14 308.36,105.66 233.04,105.66 232.03,104.65 227.96,104.65 v1(227.2,105.41)
Net-(U21-Pad32): length 68
  Top w0.254: v1(409.83,105.41) 409.32,104.9 409.32,104.01 409.98,103.35 U22.25 ; v1(347.85,105.41) 348.13,105.13 U21.32
  Route12 w0.254: v1(347.85,105.41) 348.62,104.65 352.68,104.65 353.69,105.66 367.66,105.66 367.92,105.41 370.33,105.41 370.59,105.16 371.35,105.16 371.6,105.41 389.38,105.41 389.64,105.16 390.4,105.16 390.65,105.41 v1(409.83,105.41)

## Copper pours and planes (outline as drawn; the poured copper is in the pictures)
+3V3 on Top: 433.07,102.74 423.04,102.74 423.04,97.74 419.15,93.85 31.62,93.85 31.62,109.35 406.35,109.35 407.54,110.54 407.54,120.65 406.53,121.67 406.53,122.87 408.89,125.22 433.07,125.22
+3V3 on Route6: 433.07,109.09 419.05,109.09 417.27,110.87 407.54,110.87 407.54,123.88 408.89,125.22 433.07,125.22
+5V on Top: 394.21,129.6 394.21,128.27 394.53,127.95 394.21,127.95 394.21,126.75 394.14,126.68 394.14,125.22 393.26,125.22 393.26,126.68 393.19,126.75 393.19,127.95 392.87,127.95 393.19,128.27 393.19,129.41 393.06,129.54 393.06,129.91 393.44,130.29
+5V on Top: 433.07,135.89 433.07,0 0,0 0,127 349.88,127 351.03,127.51 359.41,135.89
+5V on Route6: 433.07,135.89 433.07,0 0,0 0,127 349.87,127 351.03,127.51 359.41,135.89
+5V on Route12: 433.07,135.89 433.07,0 0,0 0,127 349.88,127 351.03,127.51 359.41,135.89
/5V_PS2 on Top: 393.06,124.59 382.4,124.59 382.4,126.11 391.36,126.11 392.13,126.87 393.06,126.87
/5V_PS2 on Top: 380.87,129.86 382.4,129.86 382.4,126.11 391.36,126.11 392.13,126.87 393.06,126.87 393.06,124.59 376.61,124.59 376.86,124.33 379.22,124.33 379.22,121.41 376.25,121.41 373.07,124.59 368.17,124.59 368.17,129.86 369.7,129.86 370.97,131.13 379.57,131.13
/5V_PS2 on Route6: 380.87,129.86 382.4,129.86 382.4,124.59 368.17,124.59 368.17,129.86 369.7,129.86 370.97,131.13 379.57,131.13
/5V_PS2 on Route12: 380.87,129.86 382.4,129.86 382.4,124.59 368.17,124.59 368.17,129.86 369.7,129.86 370.97,131.13 379.57,131.13
/5V_USB on Top: 395.29,124.59 394.33,124.59 394.33,126.87 395.29,126.87
/5V_USB on Top: 402.72,128.07 402.72,127.46 399.85,124.59 394.33,124.59 394.33,126.87 395.17,126.87 395.6,127.3 395.6,127.56 395.86,127.56 395.86,126.54 396.29,126.11 399.24,126.11 401.65,128.52 402.26,128.52
/5V_USB on Top: 416.15,130.07 414.65,131.57 413.38,131.57 411.89,130.07 411.89,128.42 411.25,128.42 411.25,130.43 411.61,130.78 411.61,131.57 412.37,132.33 412.37,133.86 415.67,133.86 415.67,132.33 416.43,131.57 416.43,130.78 416.79,130.43 416.79,128.42 416.15,128.42
/5V_USB on Route6: 412.37,133.6 412.62,133.86 415.67,133.86 415.67,131.57 412.56,131.57 412.37,131.76 407.1,131.76 402.26,127 399.85,124.59 399.24,124.59 398.78,125.04 398.78,125.66 401.65,128.52 406.73,133.6
/5V_USB on Route12: 415.67,131.57 412.56,131.57 412.37,131.76 407.1,131.76 402.26,127 399.85,124.59 399.24,124.59 398.78,125.04 398.78,125.66 406.73,133.6 412.37,133.6 412.62,133.86 415.67,133.86
GND on Top: 405.19,122.49 402.53,122.49 402.53,125.16 405.19,125.16
GND on Top: 412.62,125.48 433.07,125.48 433.07,135.89 421.72,135.89 421.72,128.57 417.91,128.57 417.58,128.91 417.58,130.3 416.97,130.3 416.97,128.4 416.71,128.14 414.91,128.14 412.62,125.86
GND on Top: 409.83,126.62 409.83,128.27 410.46,128.91 410.46,130.3 411.07,130.3 411.07,128.4 411.48,127.99 411.48,127.25 410.84,126.62
GND on Top: 96.96,100.9 94.81,100.9 94.81,102.04 96.96,102.04
GND on Top: 267.14,100.9 264.99,100.9 264.99,102.04 267.14,102.04
GND on Top: 365.57,100.9 363.41,100.9 363.41,102.04 365.57,102.04
GND on Bottom: 114.68,60.71 114.68,53.59 107.57,53.59 107.57,60.71
GND on Bottom: 432.82,135.64 432.82,128.52 425.7,128.52 425.7,135.64
GND on Bottom: 368.05,126.11 368.05,119 360.93,119 360.93,126.11
GND on Bottom: 293.12,103.25 293.12,96.14 286,96.14 286,103.25
GND on Bottom: 305.82,42.29 305.82,35.18 298.7,35.18 298.7,42.29
GND on Bottom: 343.92,42.29 343.92,35.18 336.8,35.18 336.8,42.29
GND on Bottom: 422.66,42.29 422.66,35.18 415.54,35.18 415.54,42.29
GND on Bottom: 356.62,9.91 356.62,2.79 349.5,2.79 349.5,9.91
GND on Bottom: 293.12,9.91 293.12,2.79 286,2.79 286,9.91
GND on Bottom: 163.58,16.89 163.58,9.78 156.46,9.78 156.46,16.89
GND on Bottom: 106.43,16.89 106.43,9.78 99.31,9.78 99.31,16.89
GND on Bottom: 175.64,103.25 175.64,96.14 168.53,96.14 168.53,103.25
GND on Bottom: 9.27,105.16 9.27,98.04 2.16,98.04 2.16,105.16
GND on Bottom: 28.32,9.27 28.32,2.16 21.21,2.16 21.21,9.27
GND on Bottom: 433.07,135.89 433.07,0 0,0 0,127 349.88,127 351.03,127.51 359.41,135.89
GND on Route4: 433.07,135.89 433.07,0 0,0 0,127 349.88,127 351.03,127.51 359.41,135.89
GND on Route4: 114.68,60.71 114.68,53.59 107.57,53.59 107.57,60.71
GND on Route4: 432.82,135.64 432.82,128.52 425.7,128.52 425.7,135.64
GND on Route4: 368.05,126.11 368.05,119 360.93,119 360.93,126.11
GND on Route4: 293.12,103.25 293.12,96.14 286,96.14 286,103.25
GND on Route4: 305.82,42.29 305.82,35.18 298.7,35.18 298.7,42.29
GND on Route4: 343.92,42.29 343.92,35.18 336.8,35.18 336.8,42.29
GND on Route4: 422.66,42.29 422.66,35.18 415.54,35.18 415.54,42.29
GND on Route4: 356.62,9.91 356.62,2.79 349.5,2.79 349.5,9.91
GND on Route4: 293.12,9.91 293.12,2.79 286,2.79 286,9.91
GND on Route4: 163.58,16.89 163.58,9.78 156.46,9.78 156.46,16.89
GND on Route4: 106.43,16.89 106.43,9.78 99.31,9.78 99.31,16.89
GND on Route4: 175.64,103.25 175.64,96.14 168.53,96.14 168.53,103.25
GND on Route4: 9.27,105.16 9.27,98.04 2.16,98.04 2.16,105.16
GND on Route4: 28.32,9.27 28.32,2.16 21.21,2.16 21.21,9.27
GND on Route10: 114.68,60.71 114.68,53.59 107.57,53.59 107.57,60.71
GND on Route10: 432.82,135.64 432.82,128.52 425.7,128.52 425.7,135.64
GND on Route10: 368.05,126.11 368.05,119 360.93,119 360.93,126.11
GND on Route10: 293.12,103.25 293.12,96.14 286,96.14 286,103.25
GND on Route10: 305.82,42.29 305.82,35.18 298.7,35.18 298.7,42.29
GND on Route10: 343.92,42.29 343.92,35.18 336.8,35.18 336.8,42.29
GND on Route10: 422.66,42.29 422.66,35.18 415.54,35.18 415.54,42.29
GND on Route10: 356.62,9.91 356.62,2.79 349.5,2.79 349.5,9.91
GND on Route10: 293.12,9.91 293.12,2.79 286,2.79 286,9.91
GND on Route10: 163.58,16.89 163.58,9.78 156.46,9.78 156.46,16.89
GND on Route10: 106.43,16.89 106.43,9.78 99.31,9.78 99.31,16.89
GND on Route10: 175.64,103.25 175.64,96.14 168.53,96.14 168.53,103.25
GND on Route10: 9.27,105.16 9.27,98.04 2.16,98.04 2.16,105.16
GND on Route10: 28.32,9.27 28.32,2.16 21.21,2.16 21.21,9.27
GND on Route10: 433.07,135.89 433.07,0 0,0 0,127 349.88,127 351.03,127.51 359.41,135.89
/Column decode/COLUMN5 on Bottom: 94.87,37.97 93.09,37.97 93.98,38.86
/Processor + comms/EARTH_PS/2 on Top, Bottom, Route4, Route6, Route10, Route12: 383.67,130.05 380.95,130.05 379.68,131.32 370.89,131.32 369.62,130.05 365.89,130.05 365.89,135.89 383.67,135.89
/Processor + comms/EARTH_USB on Top, Route6, Route12: 421.51,128.78 406.91,128.78 406.91,135.89 421.51,135.89
/Processor + comms/EARTH_USB on Bottom, Route4, Route10: 421.51,128.78 406.91,128.78 406.91,135.89 421.51,135.89

## Text on the board
B.Silkscreen: VCC | TX | RX | GND
F.Silkscreen: +5V / USB | +5V / PS/2 | CERN OHL | v2 Strict | Rachel Mant | (@DX-MON) | License | by | ISO, Full-size | MXKeyboard | rev 2a
